# Altium PCB waffling60-SE.PcbDoc (part 2 of 2)
Units mm, origin at the board's own origin, x right, y up, seen from the top; angles counter-clockwise.
Board outline 283.9 x 96.45 mm, 2 copper layers (Component Side, Bottom Layer), stack 1.571 mm thick; 173 components, 117 nets, 830 pads, 130 vias.
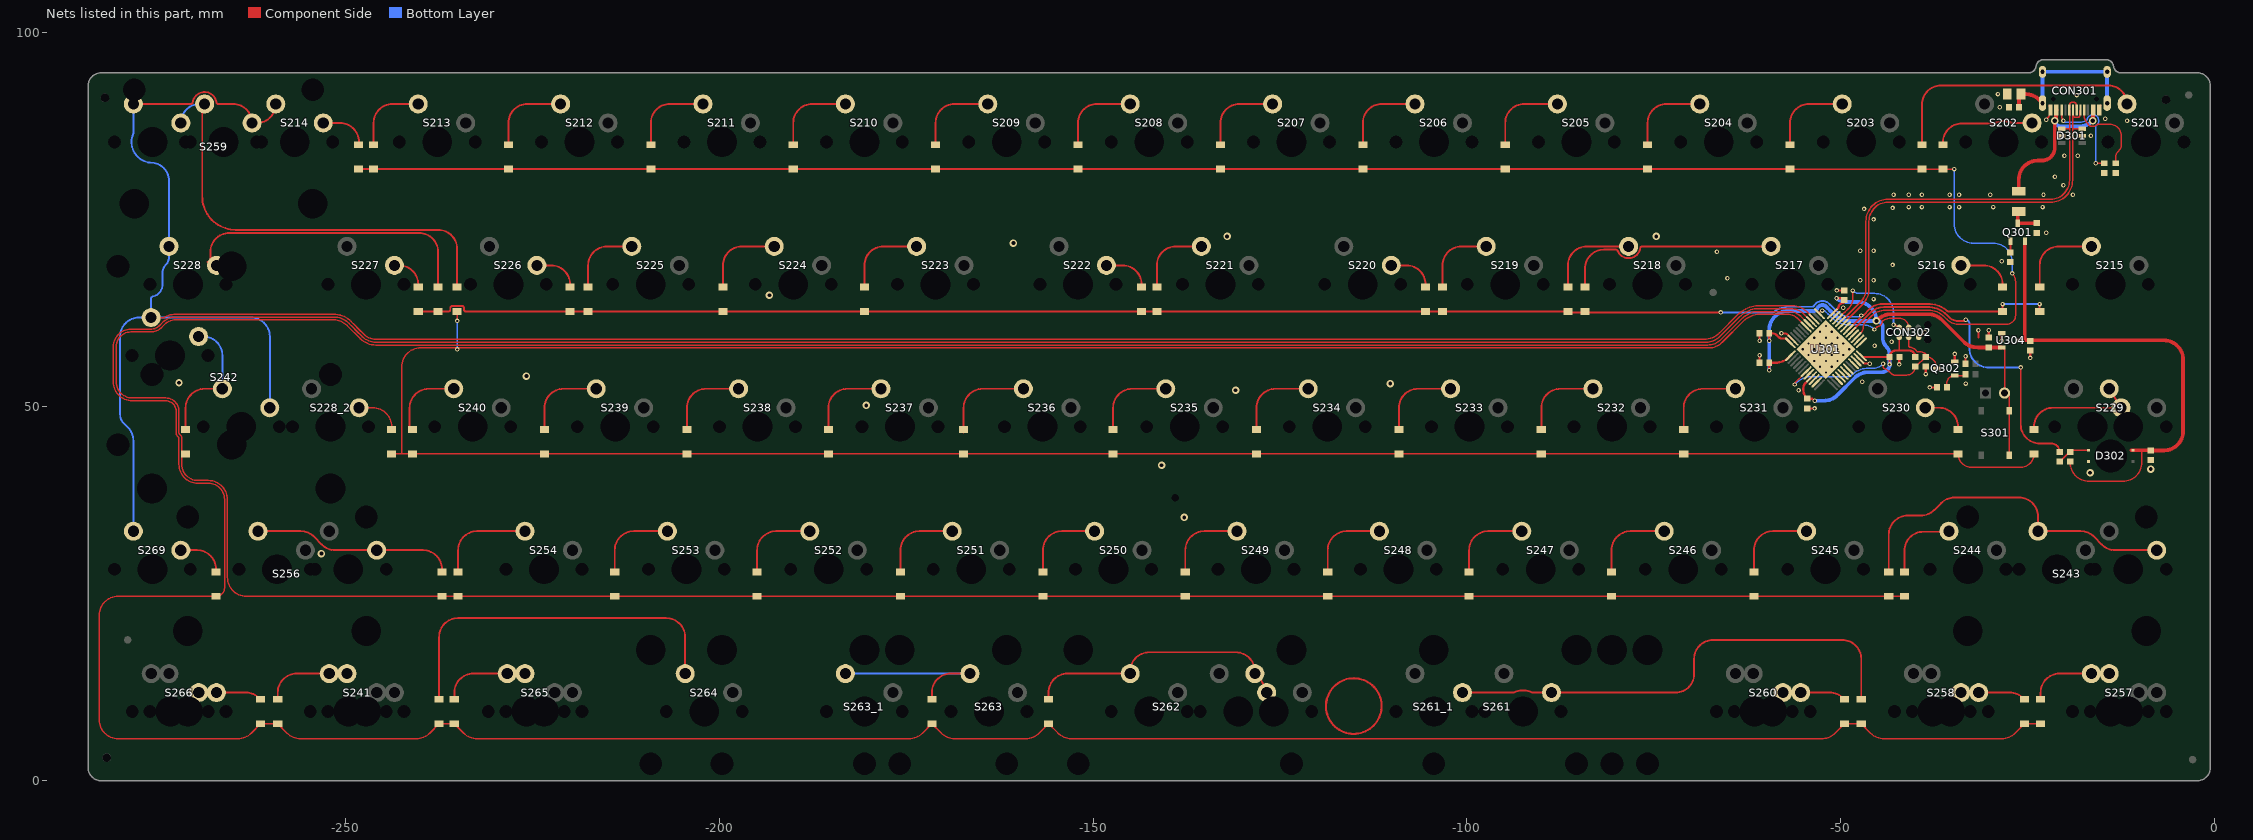
[diagram p2: the nets of this part, all layers, seen from the top]

## Via types
v1: diameter 0.6, hole 0.3, Component Side to Bottom Layer, tented both sides, 88 vias
v2: diameter 0.6, hole 0.3, Component Side to Bottom Layer, tented bottom, 25 vias
v3: diameter 1, hole 0.5, Component Side to Bottom Layer, tented both sides, 15 vias
v4: diameter 1, hole 0.6, Component Side to Bottom Layer, tented both sides, 2 vias

## Nets (pads, with @x,y where several pads share a name; then routed paths per layer and width w, separated by ;. In a path a pad name is that pad's centre, name@x,y a point inside that pad or via, vN(x,y) a via of type N, cw(c..) or ccw(c..) an arc to the next point about the centre after c; other vN are vias at no path point) (continued)
col14: S214.2 S228.2 S242.2 S259.2 S269.2 U301.39 | length 341.3
  Component Side w0.203: S242.2@-276.02,61.925 -274.329,61.925 ccw(c-274.33,62.128) -274.225,61.954 cw(c-272.709,59.455) -272.709,62.378 -251.606,62.378 cw(c-251.606,59.072) -249.265,61.407 -248.744,60.886 cw(c-249.013,60.613) -248.742,60.884 -248.298,60.439 ccw(c-248.153,60.582) -248.296,60.438 -247.507,59.649 ccw(c-245.98,61.172) -245.98,59.015 -68.273,59.015 ccw(c-68.273,61.938) -66.207,59.87 ccw(c-68.273,61.938) -66.205,59.873 -63.82,62.257 cw(c-60.833,59.282) -63.808,62.269 cw(c-60.833,59.282) -62.693,63.065 ccw(c-62.783,63.247) -62.685,63.07 cw(c-61.057,60.191) -61.057,63.498 -56.366,63.498 cw(c-56.366,60.958) -54.57,62.754 U301.39@-53.72,61.904
  Component Side w0.254: S259.2@-278.39,90.495 -272.542,90.495 -270.698,90.495 ccw(c-270.698,90.749) -270.447,90.714 cw(c-268.865,90.495) -270.403,90.924 cw(c-268.865,90.495) -268.362,92.011 cw(c-268.865,90.495) -268.36,92.01 cw(c-268.865,90.495) -267.283,90.714 ccw(c-267.032,90.749) -267.032,90.495 -265.055,90.495 cw(c-265.055,87.955) S259.2@-262.515,87.955 -261.88,87.955 ccw(c-261.88,90.495) S214.2@-259.34,90.495
  Bottom Layer w0.254: -278.615,85.753 cw(c-275.85,85.415) -278.459,86.393 ; S269.2@-278.39,33.345 -278.39,45.436 ccw(c-280.93,45.436) -279.134,47.232 -279.654,47.752 cw(c-278.428,48.978) -280.162,48.978 -280.162,59.385 cw(c-277.622,59.385) -277.622,61.925 S242.2@-276.02,61.925 ; S259.2@-278.39,90.495 -278.39,86.611 cw(c-278.644,86.612) -278.41,86.514 ccw(c-275.85,85.415) -278.459,86.393 ; -276.158,82.646 cw(c-275.85,85.415) -278.459,86.392 ; -276.157,82.646 ccw(c-275.85,85.415) -276.155,82.646 ccw(c-275.85,85.415) -275.871,82.629 cw(c-275.874,82.375) -275.856,82.629 cw(c-276.037,80.226) -273.627,80.226 S228.2@-273.627,71.445 -273.627,70.02 cw(c-275.125,70.02) -274.066,68.961 ccw(c-273.053,67.948) -274.486,67.948 -274.486,66.42 cw(c-276.167,66.365) -275.819,64.719 ccw(c-275.766,64.47) -276.02,64.47 S242.2@-276.02,61.925 ; S242.2@-260.14,49.855 -260.14,59.385 ccw(c-262.68,59.385) -262.68,61.925 S242.2@-276.02,61.925
D_N: CON301.A7 CON301.B7 D301.3 U301.32 | length 58.7
  Component Side w0.2: U301.32@-49.513,61.197 -49.513,61.224 -49.056,61.68 -49.056,61.722 -47.989,62.789 ccw(c-49.842,64.641) -47.987,62.791 -47.066,63.712 ccw(c-49.142,65.788) -46.206,65.788 -46.206,74.803 cw(c-43.666,74.803) -43.666,77.343 -21.917,77.343 ccw(c-21.917,80.286) -18.973,80.286 -18.973,87.249 ; CON301.B7@-17.925,89.695 -17.975,89.572 -17.993,89.572 ccw(c-17.795,89.543) -17.995,89.543 -17.995,88.97 cw(c-18.275,88.97) -18.275,88.69 -18.575,88.69 cw(c-18.575,88.97) -18.855,88.97 -18.855,89.543 ccw(c-19.055,89.543) -18.857,89.572 -18.875,89.572 CON301.A7@-18.925,89.695 ccw(c-18.925,89.647) -18.973,89.647 -18.973,87.249 ; D301.3@-17.675,87.183 -18.907,87.183 cw(c-18.907,87.249) -18.973,87.249
D_P: CON301.A6 CON301.B6 D301.4 U301.33 | length 58
  Component Side w0.2: U301.33@-49.866,61.55 -49.839,61.55 -49.383,62.007 -49.341,62.007 -48.275,63.073 ; -48.274,63.074 -47.353,63.995 ccw(c-49.149,65.791) -46.609,65.791 -46.609,74.803 cw(c-43.666,74.803) -43.666,77.746 -21.917,77.746 ccw(c-21.917,80.286) -19.377,80.286 -19.377,87.249 ; D301.4@-20.425,87.183 -19.525,87.183 ccw(c-19.525,87.383) -19.377,87.249 ; CON301.A6@-18.425,89.695 -18.475,90.17 -18.477,90.17 cw(c-18.295,90.253) -18.495,90.253 -18.495,90.42 ccw(c-18.775,90.42) -18.775,90.7 -19.075,90.7 ccw(c-19.075,90.42) -19.355,90.42 -19.355,90.069 cw(c-19.555,90.07) -19.371,89.992 -19.375,89.992 CON301.B6@-19.425,89.695 cw(c-19.425,89.647) -19.377,89.647 -19.377,87.249
GND: C301.1 C302.1 C303.1 C304.1 C305.1 C306.1 C307.1 C308.1 C310.2 C311.1 C312.1 CON301.A1B12 CON301.B1A12 CON302.5 D301.2 D302.3 L301.1 Q302.2 R301.2 R302.2 R304.2 R305.2 R309.2 U301.8 U301.23 U301.35 U301.47 U304.1 | length 48.8
  Component Side w0.254: v1(-57.912,59.817) -57.479,59.817 cw(c-57.479,59.361) -57.157,59.683 U301.47@-56.549,59.075 ; U301.23@-47.391,56.282 -47.379,56.282 -46.85,55.753 v1(-46.101,55.753) ; CON302.5@-39.544,59.309 v1(-38.735,59.944) ; v1(-22.479,88.392) -22.455,88.416 ccw(c-23.733,89.695) CON301.B1A12@-21.925,89.695 CON301.B1A12@-22.098,90.293 ; CON301.A1B12@-15.425,89.695 CON301.A1B12@-15.252,90.293
  Component Side w0.279: -111.412,10.074 cw(c-115.129,9.951) -111.412,10.088
  Component Side w0.3: C305.1@-60.848,55.88 v1@-60.848,56.881 ; v1@-60.848,58.816 C304.1@-60.848,59.817 ; C302.1@-54.483,49.769 v1@-53.482,49.769 ; v1@-50.531,65.547 C303.1@-49.53,65.547 ; v1@-42.149,55.641 C301.1@-42.149,56.642 ; v1@-38.608,54.356 C310.2@-38.608,55.357 ; v1@-38.1,52.578 R305.2@-37.099,52.578 ; Q302.2@-34.741,56.068 v1@-34.741,57.069 ; R304.2@-33.289,55.753 v1@-33.289,56.754 ; -31.566,59.239 v1@-31.566,60.24 ; C308.1@-30.169,59.239 v1@-30.169,60.24 ; v1@-28.463,58.82 U304.1@-28.463,59.821 ; v1@-24.638,56.515 C307.1@-24.638,57.516
  Bottom Layer w0.254: v2(-52.748,60.012) v2(-51.97,59.234) ; v2(-51.97,60.79) v2(-51.192,60.012) v2(-50.414,59.234) v2(-49.637,58.457) v2(-48.859,57.679)
  other v1: -53.49,49.769 -55.626,52.197 -38.092,52.578 -33.274,53.086 -47.117,53.34 -38.608,54.364 -42.149,55.649 -24.638,56.523 -33.289,56.746 -60.848,56.873 -34.741,57.061 -45.466,58.166 -43.18,58.674 -60.848,58.824 -28.463,58.828 -31.566,60.232 -30.169,60.232 -49.657,63.246 -45.593,64.389 -50.523,65.547 -47.371,66.929 -45.593,66.929 -65.151,67.183 -43.053,68.961 -28.448,69.469 -66.548,70.739 -47.371,70.866 -45.593,70.866 -22.479,73.279 -45.593,75.057 -46.863,76.454 -43.053,76.581 -40.894,76.708 -39.116,76.708 -35.433,76.708 -34.163,76.708 -29.591,76.708 -22.987,76.708 -42.926,78.359 -40.894,78.359 -39.116,78.359 -35.433,78.359 -34.163,78.359 -29.972,78.359 -22.86,78.359 -18.923,78.359 -20.193,79.629 -21.336,80.772 -20.066,83.566 -18.288,83.566 -16.51,86.233 -11.684,88.265 -14.605,88.519 -28.702,90.043 -18.415,91.694 -28.956,91.821
  other v2: -51.97,54.568 -52.748,55.345 -51.192,55.345 -53.526,56.123 -51.97,56.123 -50.414,56.123 -54.303,56.901 -52.748,56.901 -51.192,56.901 -49.637,56.901 -55.081,57.679 -53.526,57.679 -51.97,57.679 -50.414,57.679 -54.303,58.457 -52.748,58.457 -51.192,58.457 -53.526,59.234
  other v3: -253.238,30.353 -137.795,35.179 -16.637,41.148 -8.509,41.656 -140.843,42.164 -180.34,50.165 -130.937,52.197 -110.236,53.086 -272.288,53.213 -225.806,54.102 -193.294,64.897 -160.655,71.882 -132.08,72.771 -74.676,72.771
LED: R307.2 U301.29 | length 44.4
  Component Side w0.254: U301.29@-48.452,60.136 -47.094,61.494 -46.018,62.57 cw(c-44.222,60.774) -44.222,63.314 -38.221,63.314 cw(c-38.221,61.347) -38.043,63.306 ccw(c-38.021,63.559) -38.04,63.306 cw(c-38.28,59.834) -35.821,62.297 cw(c-38.28,59.834) -35.818,62.293 -35.474,61.949 ccw(c-34.255,63.169) -35.472,61.948 ccw(c-34.255,63.169) -34.255,61.445 -33.541,61.445 -33.368,61.618 v1(-33.274,61.618) ; v1@-25.908,55.245 -25.908,47.625 ccw(c-23.368,47.625) -23.368,45.085 -21.829,45.085 cw(c-21.829,43.957) R307.2@-20.701,43.957
  Bottom Layer w0.254: v1(-33.274,61.618) cw(c-33.274,61.11) -32.766,61.11 -32.766,57.785 ccw(c-30.226,57.785) -32.732,57.37 ccw(c-30.226,57.785) -30.641,55.279 ccw(c-30.226,57.785) -30.226,55.245 v1(-25.9,55.245)
NetC306_2: C306.2 F301.1 Q301.3 | length 4.3
  Component Side w0.5: F301.1@-26.162,76.12 ccw(c-25.819,75.777) -26.304,75.777 Q301.3@-26.304,74.553 -23.649,74.553 ccw(c-23.649,74.591) C306.2@-23.622,74.564
NetC309_2: C309.2 Q302.1 R305.1 | length 3.8
  Component Side w0.203: R305.1@-35.799,52.578 -35.799,53.11 cw(c-34.741,53.11) Q302.1@-34.741,54.168 -33.477,54.168 ccw(c-33.477,54.356) C309.2@-33.289,54.356
NetC312_2: C312.2 CON301.S1 L301.2 | length 22.1
  Component Side w0.5: C312.2@-26.147,90.043 -26.147,91.169 cw(c-25.225,91.169) L301.2@-25.877,91.821 -25.258,91.821 cw(c-25.258,89.281) -23.462,91.077 CON301.S1@-22.995,90.61
  Bottom Layer w0.5: CON301.S1@-22.995,90.61 CON301.S1@-22.995,94.79 CON301.S1@-14.355,94.79 CON301.S1@-14.355,90.61
NetCON301_A5: CON301.A5 R301.1 | length 12.1
  Component Side w0.203: CON301.A5@-17.384,89.034 cw(c-17.145,89.18) -17.403,89.071 CON301.A5@-17.425,89.695 -17.425,89.125 ccw(c-15.518,89.125) -16.866,87.777 ccw(c-16.256,88.265) -15.684,87.732 cw(c-15.536,87.593) -15.537,87.796 -14.009,87.796 cw(c-14.009,86.233) -12.446,86.233 -12.446,85.121 cw(c-13.747,85.121) -12.827,84.201 ccw(c-11.907,83.281) -13.208,83.281 R301.1@-13.208,82.565
NetCON301_B5: CON301.B5 R302.1 | length 15.5
  Component Side w0.203: CON301.B5@-20.425,89.695 -20.425,88.825 ccw(c-19.633,88.825) v1(-20.193,88.265) ; v1(-15.875,82.55) -14.768,82.55 ccw(c-14.768,82.601) R302.1@-14.732,82.565
  Bottom Layer w0.203: v1(-20.193,88.265) -20.029,88.101 cw(c-20.246,87.884) -20.024,88.096 ccw(c-19.879,88.238) -19.88,88.035 -18.07,88.035 ccw(c-18.07,90.043) -17.127,88.27 ccw(c-17.224,88.449) -17.024,88.41 cw(c-16.256,88.265) -15.532,87.97 ; -16.066,89.023 cw(c-16.256,88.265) -15.532,87.97 ; v1(-15.875,82.55) -15.875,87.45 ccw(c-16.309,87.45) -15.875,87.466 cw(c-15.672,87.472) -15.875,87.484 cw(c-15.672,87.472) -15.874,87.496 cw(c-15.672,87.472) -15.793,87.635 ccw(c-16.256,88.265) -15.591,87.854 ccw(c-16.256,88.265) -15.532,87.97
NetD201_1: D201.1 S201.1 | length 35.7
  Component Side w0.254: D201.1@-39.116,85.05 -39.116,90.424 cw(c-36.576,90.424) -36.576,92.964 -14.159,92.964 cw(c-14.159,90.495) S201.1@-11.69,90.495
NetD202_1: D202.1 S202.1 | length 15.6
  Component Side w0.254: D202.1@-36.322,85.05 -36.322,85.344 cw(c-33.782,85.344) -33.782,87.884 -29.55,87.884 ccw(c-29.551,88.138) -29.439,87.91 cw(c-28.2,85.415) -27.251,88.034 ; -29.1,88.051 cw(c-28.2,85.415) -27.102,87.975 ccw(c-27.003,88.209) -27.004,87.955 S202.1@-24.39,87.955
NetD203_1: D203.1 S203.1 | length 11.3
  Component Side w0.254: D203.1@-56.769,85.05 -56.769,87.955 cw(c-54.229,87.955) -54.229,90.495 S203.1@-49.79,90.495
NetD204_1: D204.1 S204.1 | length 11.3
  Component Side w0.254: D204.1@-75.819,85.05 -75.819,87.955 cw(c-73.279,87.955) -73.279,90.495 S204.1@-68.84,90.495
NetD205_1: D205.1 S205.1 | length 11.3
  Component Side w0.254: D205.1@-94.869,85.05 -94.869,87.955 cw(c-92.329,87.955) -92.329,90.495 S205.1@-87.89,90.495
NetD206_1: D206.1 S206.1 | length 11.3
  Component Side w0.254: D206.1@-113.919,85.05 -113.919,87.955 cw(c-111.379,87.955) -111.379,90.495 S206.1@-106.94,90.495
NetD207_1: D207.1 S207.1 | length 11.3
  Component Side w0.254: D207.1@-132.969,85.05 -132.969,87.955 cw(c-130.429,87.955) -130.429,90.495 S207.1@-125.99,90.495
NetD208_1: D208.1 S208.1 | length 11.3
  Component Side w0.254: D208.1@-152.019,85.05 -152.019,87.955 cw(c-149.479,87.955) -149.479,90.495 S208.1@-145.04,90.495
NetD209_1: D209.1 S209.1 | length 11.3
  Component Side w0.254: D209.1@-171.069,85.05 -171.069,87.955 cw(c-168.529,87.955) -168.529,90.495 S209.1@-164.09,90.495
NetD210_1: D210.1 S210.1 | length 11.3
  Component Side w0.254: D210.1@-190.119,85.05 -190.119,87.955 cw(c-187.579,87.955) -187.579,90.495 S210.1@-183.14,90.495
NetD211_1: D211.1 S211.1 | length 11.3
  Component Side w0.254: D211.1@-209.169,85.05 -209.169,87.955 cw(c-206.629,87.955) -206.629,90.495 S211.1@-202.19,90.495
NetD212_1: D212.1 S212.1 | length 11.3
  Component Side w0.254: D212.1@-228.219,85.05 -228.219,87.955 cw(c-225.679,87.955) -225.679,90.495 S212.1@-221.24,90.495
NetD213_1: D213.1 S213.1 | length 10.3
  Component Side w0.254: D213.1@-246.253,85.05 -246.253,87.955 cw(c-243.713,87.955) -243.713,90.495 S213.1@-240.29,90.495
NetD214_1: D214.1 S214.1 | length 6.6
  Component Side w0.254: S214.1@-252.99,87.955 -250.759,87.955 cw(c-250.759,85.415) -248.219,85.415 D214.1@-248.219,85.05
NetD215_1: D215.1 S215.1 | length 11.3
  Component Side w0.254: D215.1@-23.368,66 -23.368,68.905 cw(c-20.828,68.905) -20.828,71.445 S215.1@-16.452,71.445
NetD216_1: D216.1 S216.1 | length 7.4
  Component Side w0.254: S216.1@-33.915,68.905 -30.861,68.905 cw(c-30.861,66.365) -28.321,66.365 D216.1@-28.321,66
NetD217_1: D217.1 S217.1 | length 31
  Component Side w0.254: D217.1@-84.201,66 -84.201,68.471 cw(c-81.661,68.471) -81.661,71.011 -80.061,71.011 cw(c-80.062,70.757) -79.827,70.853 ; -79.279,70.16 cw(c-78.365,71.445) -79.827,70.853 ; S217.1@-59.315,71.445 -76.553,71.445 ccw(c-76.552,71.191) -76.803,71.227 cw(c-78.365,71.445) -79.827,70.853
NetD218_1: D218.1 S218.1 | length 12.5
  Component Side w0.254: D218.1@-86.487,66 -86.487,68.905 cw(c-83.947,68.905) -83.947,71.445 S218.1@-78.365,71.445
NetD219_1: D219.1 S219.1 | length 10.2
  Component Side w0.254: D219.1@-103.251,66 -103.251,68.905 cw(c-100.711,68.905) -100.711,71.445 S219.1@-97.415,71.445
NetD220_1: D220.1 S220.1 | length 6.4
  Component Side w0.254: S220.1@-110.115,68.905 -108.077,68.905 cw(c-108.077,66.365) -105.537,66.365 D220.1@-105.537,66
NetD221_1: D221.1 S221.1 | length 10.3
  Component Side w0.254: D221.1@-141.478,66 -141.478,68.905 cw(c-138.938,68.905) -138.938,71.445 S221.1@-135.515,71.445
NetD222_1: D222.1 S222.1 | length 6.5
  Component Side w0.254: S222.1@-148.215,68.905 -146.05,68.905 cw(c-146.05,66.365) -143.51,66.365 D222.1@-143.51,66
NetD223_1: D223.1 S223.1 | length 11.3
  Component Side w0.254: D223.1@-180.594,66 -180.594,68.905 cw(c-178.054,68.905) -178.054,71.445 S223.1@-173.615,71.445
NetD224_1: D224.1 S224.1 | length 11.2
  Component Side w0.254: D224.1@-199.517,66 -199.517,68.905 cw(c-196.977,68.905) -196.977,71.445 S224.1@-192.665,71.445
NetD225_1: D225.1 S225.1 | length 10.2
  Component Side w0.254: D225.1@-217.551,66 -217.551,68.905 cw(c-215.011,68.905) -215.011,71.445 S225.1@-211.715,71.445
NetD226_1: D226.1 S226.1 | length 6.3
  Component Side w0.254: S226.1@-224.415,68.905 -222.504,68.905 cw(c-222.504,66.365) -219.964,66.365 D226.1@-219.964,66
NetD227_1: D227.1 S227.1 | length 5
  Component Side w0.254: S227.1@-243.465,68.905 -242.824,68.905 cw(c-242.824,66.365) -240.284,66.365 D227.1@-240.284,66
NetD228_1: D228.1 S228.1 | length 39.6
  Component Side w0.254: -268.478,69.342 ccw(c-268.478,69.723) -268.097,69.723 -268.097,70.686 cw(c-265.557,70.686) -265.557,73.226 -240.157,73.226 cw(c-240.157,70.686) -237.617,70.686 D228.1@-237.617,66
NetD228_2_1: D228_2.1 S228_2.1 | length 6.2
  Component Side w0.203: S228_2.1@-248.202,49.855 -246.38,49.855 cw(c-246.38,47.315) -243.84,47.315 D228_2.1@-243.84,46.95
NetD229_1: D229.1 S229.2 | length 16.5
  Component Side w0.254: D229.1@-24.13,46.95 -24.13,47.315 cw(c-21.59,47.315) -21.59,49.855 S229.2@-12.484,49.855 S229.2@-14.071,52.395
NetD230_1: D230.1 S230.1 | length 6.2
  Component Side w0.254: S230.1@-38.677,49.855 -36.83,49.855 cw(c-36.83,47.315) -34.29,47.315 D230.1@-34.29,46.95
NetD231_1: D231.1 S231.1 | length 11.3
  Component Side w0.254: D231.1@-70.993,46.95 -70.993,49.855 cw(c-68.453,49.855) -68.453,52.395 S231.1@-64.077,52.395
NetD232_1: D232.1 S232.1 | length 11.3
  Component Side w0.254: D232.1@-90.043,46.95 -90.043,49.855 cw(c-87.503,49.855) -87.503,52.395 S232.1@-83.127,52.395
NetD233_1: D233.1 S233.1 | length 11.3
  Component Side w0.254: D233.1@-109.093,46.95 -109.093,49.855 cw(c-106.553,49.855) -106.553,52.395 S233.1@-102.177,52.395
NetD234_1: D234.1 S234.1 | length 11.3
  Component Side w0.254: D234.1@-128.143,46.95 -128.143,49.855 cw(c-125.603,49.855) -125.603,52.395 S234.1@-121.227,52.395
NetD235_1: D235.1 S235.1 | length 11.4
  Component Side w0.254: D235.1@-147.32,46.95 -147.32,49.855 cw(c-144.78,49.855) -144.78,52.395 S235.1@-140.277,52.395
NetD236_1: D236.1 S236.1 | length 12.8
  Component Side w0.254: D236.1@-167.32,46.515 D236.1@-167.32,46.95 -167.32,49.855 cw(c-164.78,49.855) -164.78,52.395 S236.1@-159.327,52.395
NetD237_1: D237.1 S237.1 | length 11.4
  Component Side w0.254: D237.1@-185.42,46.95 -185.42,49.855 cw(c-182.88,49.855) -182.88,52.395 S237.1@-178.377,52.395
NetD238_1: D238.1 S238.1 | length 10.8
  Component Side w0.254: D238.1@-204.343,46.95 -204.343,49.855 cw(c-201.803,49.855) -201.803,52.395 S238.1@-197.881,52.395
NetD239_1: D239.1 S239.1 | length 11.3
  Component Side w0.254: D239.1@-223.393,46.95 -223.393,49.855 cw(c-220.853,49.855) -220.853,52.395 S239.1@-216.477,52.395
NetD240_1: D240.1 S240.1 | length 10.3
  Component Side w0.254: D240.1@-241.427,46.95 -241.427,49.855 cw(c-238.887,49.855) -238.887,52.395 S240.1@-235.527,52.395
NetD241_1: D241.1 S241.2 | length 9.2
  Component Side w0.254: D241.1@-259.08,10.85 -259.08,11.755 cw(c-256.54,11.755) -256.54,14.295 S241.2@-252.196,14.295
NetD242_1: D242.1 S242.1 | length 18.3
  Component Side w0.254: D242.1@-271.399,46.95 -271.399,49.855 cw(c-268.859,49.855) -268.859,52.395 S242.1@-266.49,52.395
  Bottom Layer w0.254: S242.1@-269.67,59.385 -269.03,59.385 cw(c-269.03,56.845) -266.49,56.845 S242.1@-266.49,52.395
NetD243_1: D243.1 S243.1 | length 47.3
  Component Side w0.254: D243.1@-43.561,27.9 -43.561,32.893 cw(c-41.021,32.893) -41.021,35.433 -39.279,35.433 ccw(c-39.279,37.973) -37.483,36.177 -36.558,37.102 cw(c-34.762,35.306) -34.762,37.846 -26.136,37.846 cw(c-26.136,35.306) -23.596,35.306 S243.1@-23.596,33.345 -17.887,33.345 cw(c-17.887,30.805) -16.091,32.601 -15.039,31.549 ccw(c-13.243,33.345) -13.243,30.805 S243.1@-7.721,30.805
NetD244_1: D244.1 S244.2 | length 10.3
  Component Side w0.254: D244.1@-41.468,27.9 -41.468,30.734 cw(c-38.928,30.734) -38.928,33.274 S244.2@-35.433,33.274
NetD245_1: D245.1 S245.1 | length 11.4
  Component Side w0.254: D245.1@-61.595,27.9 -61.595,30.805 cw(c-59.055,30.805) -59.055,33.345 S245.1@-54.552,33.345
NetD246_1: D246.1 S246.1 | length 11.4
  Component Side w0.254: D246.1@-80.645,27.9 -80.645,30.805 cw(c-78.105,30.805) -78.105,33.345 S246.1@-73.602,33.345
NetD247_1: D247.1 S247.1 | length 11.4
  Component Side w0.254: D247.1@-99.695,27.9 -99.695,30.805 cw(c-97.155,30.805) -97.155,33.345 S247.1@-92.652,33.345
NetD248_1: D248.1 S248.1 | length 11.3
  Component Side w0.254: D248.1@-118.618,27.9 -118.618,30.805 cw(c-116.078,30.805) -116.078,33.345 S248.1@-111.702,33.345
NetD249_1: D249.1 S249.1 | length 12.5
  Component Side w0.254: D249.1@-137.668,27.9 -137.668,30.805 cw(c-135.128,30.805) -135.128,33.345 S249.1@-130.752,33.345
  Bottom Layer w0.254: S249.1@-130.752,33.345 S249.1@-130.752,34.544
NetD250_1: D250.1 S250.1 | length 11.3
  Component Side w0.254: D250.1@-156.718,27.9 -156.718,30.805 cw(c-154.178,30.805) -154.178,33.345 S250.1@-149.802,33.345
NetD251_1: D251.1 S251.1 | length 11.3
  Component Side w0.254: D251.1@-175.768,27.9 -175.768,30.805 cw(c-173.228,30.805) -173.228,33.345 S251.1@-168.852,33.345
NetD252_1: D252.1 S252.1 | length 11.4
  Component Side w0.254: D252.1@-194.945,27.9 -194.945,30.805 cw(c-192.405,30.805) -192.405,33.345 S252.1@-187.902,33.345
NetD253_1: D253.1 S253.1 | length 11.4
  Component Side w0.254: D253.1@-213.995,27.9 -213.995,30.805 cw(c-211.455,30.805) -211.455,33.345 S253.1@-206.952,33.345
NetD254_1: D254.1 S254.1 | length 13.3
  Component Side w0.254: D254.1@-234.95,27.9 -234.95,30.805 cw(c-232.41,30.805) -232.41,33.345 S254.1@-226.002,33.345
NetD255_1: D255.1 S256.1 | length 27.2
  Component Side w0.254: S256.1@-261.62,33.345 -256.012,33.345 cw(c-256.012,30.805) -254.216,32.601 -253.164,31.549 ccw(c-251.368,33.345) -251.368,30.805 -245.745,30.805 -239.649,30.805 cw(c-239.649,28.265) -237.109,28.265 D255.1@-237.109,27.9
NetD256_1: D256.1 S269.1 | length 6.5
  Component Side w0.254: S269.1@-272.04,30.805 -269.875,30.805 cw(c-269.875,28.265) -267.335,28.265 D256.1@-267.335,27.9
NetD257_1: D257.1 S257.2 | length 9.1
  Component Side w0.254: D257.1@-23.241,10.85 -23.241,11.755 cw(c-20.701,11.755) -20.701,14.295 S257.2@-16.452,14.295
NetD258_1: D258.1 S258.1 | length 6.4
  Component Side w0.254: S258.1@-31.533,11.755 -27.357,11.755 cw(c-27.357,9.215) -25.561,11.011 D258.1@-25.4,10.85
NetD259_1: D259.1 S259.1 | length 60.2
  Component Side w0.254: S259.1@-269.182,90.495 -269.182,78.135 ccw(c-264.708,78.135) -264.708,73.66 -237.617,73.66 cw(c-237.617,71.12) -235.077,71.12 D259.1@-235.077,66
  Bottom Layer w0.254: S259.1@-272.04,87.955 cw(c-269.5,87.955) -269.5,90.495 S259.1@-268.865,90.495
NetD260_1: D260.1 S260.1 | length 6.1
  Component Side w0.254: S260.1@-55.346,11.755 -51.439,11.755 cw(c-51.439,9.215) -49.643,11.011 D260.1@-49.482,10.85
NetD261_1: D261.1 S261.1 S261_1.1 | length 65.2
  Component Side w0.254: S261_1.1@-100.589,11.755 -93.788,11.755 ccw(c-93.789,12.009) -93.683,11.778 cw(c-92.493,9.215) -91.303,11.778 ccw(c-91.198,12.009) -91.199,11.755 S261.1@-88.683,11.755 -72.065,11.755 ccw(c-72.065,14.224) -69.596,14.224 -69.596,16.256 cw(c-67.056,16.256) -67.056,18.796 -49.784,18.796 cw(c-49.784,16.256) -47.244,16.256 D261.1@-47.244,10.85
NetD262_1: D262.1 S262.2 | length 36.8
  Component Side w0.254: D262.1@-155.956,10.85 -155.956,11.755 cw(c-153.416,11.755) -153.416,14.295 S262.2@-145.039,14.295 -145.039,14.605 cw(c-142.499,14.605) -142.499,17.145 -130.903,17.145 cw(c-130.903,14.605) -128.363,14.605 S262.2@-128.363,14.295 -127.837,13.769 cw(c-129.633,11.973) -127.093,11.973 S262.2@-127.093,11.755
  Bottom Layer w0.254: S262.2@-145.039,14.295 S262.2@-145.039,14.478 ; S262.2@-128.363,14.295 S262.2@-128.363,14.478
NetD263_1: D263.1 S263.2 S263_1.2 | length 24.1
  Component Side w0.254: D263.1@-171.577,10.85 -171.577,11.755 cw(c-169.037,11.755) -169.037,14.295 S263.2@-166.471,14.295
  Bottom Layer w0.254: S263_1.2@-183.139,14.295 S263.2@-166.471,14.295
NetD264_1: D264.1 S264.1 | length 49
  Component Side w0.254: D264.1@-237.49,10.85 -237.49,19.177 cw(c-234.95,19.177) -234.95,21.717 -207.111,21.717 cw(c-207.111,19.177) -204.571,19.177 S264.1@-204.571,14.295
NetD265_1: D265.1 S265.2 | length 9.4
  Component Side w0.254: D265.1@-235.458,10.85 -235.458,11.755 cw(c-232.918,11.755) -232.918,14.295 S265.2@-228.383,14.295
NetD266_1: D266.1 S266.1 | length 6.2
  Component Side w0.254: S266.1@-267.277,11.755 -263.323,11.755 cw(c-263.323,9.215) -261.527,11.011 D266.1@-261.366,10.85
NetD302_4: D302.4 R306.2 R307.1 | length 4.5
  Component Side w0.254: R307.1@-20.701,42.657 -20.403,42.93 -19.602,43.684 R306.2@-19.304,43.957 cw(c-19.089,43.957) -19.089,44.172 D302.4@-16.857,44.172
NetQ301_1: Q301.1 R309.1 | length 1.5
  Component Side w0.254: R309.1@-27.305,70.627 ccw(c-27.428,70.75) -27.254,70.75 Q301.1@-27.254,72.153
NRST: C310.1 CON302.3 Q302.3 R303.2 U301.7 | length 29.1
  Component Side w0.203: v1@-56.134,52.959 v1(-56.134,52.967) -56.134,53.161 U301.7@-54.781,54.515 ; v1(-44.315,55.753) -44.315,55.692 -44.315,55.317 ccw(c-44.112,55.314) -44.196,55.129 cw(c-45.466,52.306) -43.277,54.494 -43.159,54.377 ccw(c-42.802,54.734) -42.854,54.232 ccw(c-42.802,54.734) -42.802,54.229 -41.158,54.229 ccw(c-41.158,55.357) -40.03,55.357 R303.2@-40.005,55.357 -39.682,55.655 -38.931,56.359 C310.1@-38.608,56.657 ; CON302.3@-40.894,59.309 -40.894,58.153 ccw(c-40.691,58.154) -40.717,57.953 cw(c-40.879,56.657) -40.302,57.828 cw(c-40.879,56.657) -39.796,57.386 ccw(c-39.628,57.5) -39.751,57.339 -39.37,57.339 cw(c-39.37,56.261) -38.608,57.023 C310.1@-38.608,56.657 ; Q302.3@-37.141,55.118 -37.141,55.19 ccw(c-38.608,55.19) C310.1@-38.608,56.657
  Bottom Layer w0.203: v1(-56.134,52.967) -55.859,53.242 cw(c-54.063,51.446) -54.063,53.986 -49.259,53.986 ccw(c-49.259,56.117) -48.714,54.057 ccw(c-48.767,54.253) -48.624,54.108 -48.49,54.242 ; -48.49,54.243 cw(c-46.319,52.07) -47.85,54.733 cw(c-46.319,52.07) -47.557,54.881 cw(c-46.319,52.07) -46.319,55.142 -45.593,55.142 ccw(c-45.593,56.751) -44.455,55.613 v1(-44.315,55.753)
PA0: U301.10
PA1: U301.11
PA5: U301.15
PA6: U301.16
PA7: U301.17
PA9: D215.2 D216.2 D217.2 D218.2 D219.2 D220.2 D221.2 D222.2 D223.2 D224.2 D225.2 D226.2 D227.2 D228.2 U301.30 | length 224.4
  Component Side w0.254: D227.2@-240.284,62.73 D228.2@-237.617,62.73 -236.248,62.73 ccw(c-236.248,62.984) -235.994,62.984 -235.994,63.185 cw(c-235.687,63.185) -235.687,63.492 -234.467,63.492 cw(c-234.467,63.185) -234.16,63.185 -234.16,62.984 ccw(c-233.906,62.984) -234.078,62.797 ccw(c-233.906,62.984) -233.906,62.73 D226.2@-219.964,62.73 D225.2@-217.551,62.73 D224.2@-199.517,62.73 D223.2@-180.594,62.73 D222.2@-143.51,62.73 D221.2@-141.478,62.73 D220.2@-105.537,62.73 D219.2@-103.251,62.73 D218.2@-86.487,62.73 -86.004,62.611 v1(-66.04,62.611) ; U301.30@-48.806,60.49 -47.315,61.98 -47.315,62.132 -47.182,62.264 -46.938,62.264 -46.198,63.004 cw(c-44.402,61.208) -44.402,63.748 -38.221,63.748 cw(c-38.221,61.347) -38.008,63.739 ccw(c-37.987,63.992) -38.006,63.738 cw(c-38.28,59.834) -35.716,62.791 ccw(c-35.55,62.984) -35.671,62.76 ccw(c-35.55,62.984) -35.552,62.73 -28.336,62.73 D216.2@-28.321,62.73
  Component Side w0.3: D216.2@-28.336,62.73 v1(-28.336,63.723) v1@-28.336,63.731 ; D215.2@-23.383,62.73 v1(-23.383,63.723) v1@-23.383,63.731
  Bottom Layer w0.254: v1(-66.04,62.611) -59.124,62.611 ccw(c-59.126,62.865) -58.966,62.667 cw(c-57.008,60.268) -57.008,63.365 -53.794,63.365 ccw(c-53.795,63.619) -53.574,63.494 cw(c-52.451,62.865) -51.542,63.776 cw(c-52.451,62.865) -51.54,63.774 cw(c-52.451,62.865) -51.452,63.676 ccw(c-51.255,63.837) -51.415,63.64 cw(c-52.094,62.789) -51.326,63.56 cw(c-52.094,62.789) -51.324,63.558 cw(c-52.094,62.789) -51.323,63.557 -50.97,63.204 ; -50.969,63.203 -50.535,62.769 ; -50.534,62.768 ccw(c-48.739,64.565) -48.739,62.025 -47.515,62.025 -47.342,62.198 v1(-47.249,62.198)
  Bottom Layer w0.3: v1(-28.336,63.723) v1(-23.383,63.723)
PA10: U301.31
PB0: U301.18
PB1: U301.19
PB4: D241.2 D256.2 D257.2 D258.2 D260.2 D261.2 D262.2 D263.2 D264.2 D265.2 D266.2 U301.40 | length 577.2
  Component Side w0.203: -249.014,60.614 -249.538,61.138 ccw(c-251.606,59.072) -251.606,61.995 -272.709,61.995 ccw(c-272.709,59.455) -274.505,61.251 -274.848,60.908 ccw(c-274.703,60.765) -274.855,60.9 cw(c-276.02,61.925) -276.11,60.376 -278.728,60.376 ccw(c-278.728,58.034) -281.07,58.034 -281.07,53.321 ccw(c-278.53,53.321) -278.53,50.781 -274.066,50.781 cw(c-274.066,49.389) -273.088,50.379 -273.075,50.367 cw(c-274.066,49.389) -272.674,49.389 -272.674,46.495 ccw(c-272.009,46.495) -272.38,45.943 cw(c-272.494,45.775) -272.291,45.776 -272.291,42.289 ccw(c-269.751,42.289) -269.751,39.749 -268.351,39.749 cw(c-268.351,37.592) -266.194,37.592 -266.194,25.771 cw(c-267.335,25.771) -266.878,24.725 cw(c-267.335,25.771) D256.2@-267.335,24.63 -280.416,24.63 ccw(c-280.416,22.09) -282.956,22.09 -282.956,8.12 ccw(c-280.416,8.12) -280.416,5.58 -264.418,5.58 ccw(c-264.418,8.12) -262.622,6.324 D266.2@-261.366,7.58 D241.2@-259.08,7.58 -257.824,6.324 ccw(c-256.028,8.12) -256.028,5.58 -240.542,5.58 ccw(c-240.542,8.12) -238.746,6.324 D264.2@-237.49,7.58 D265.2@-235.458,7.58 -234.202,6.324 ccw(c-232.406,8.12) -232.406,5.58 -231.394,5.58 -215.265,5.58 -174.629,5.58 ccw(c-174.629,8.12) -172.833,6.324 D263.2@-171.577,7.58 -170.329,6.332 ccw(c-168.533,8.128) -168.533,5.588 -159,5.588 ccw(c-159,8.128) -157.204,6.332 D262.2@-155.956,7.58 -154.708,6.332 ccw(c-152.912,8.128) -152.912,5.588 -104.648,5.588 -104.648,5.58 -69.342,5.58 -59.309,5.58 -52.534,5.58 ; -249.013,60.613 -248.569,60.168 -247.776,59.376 ccw(c-245.98,61.172) -247.762,59.362 ccw(c-245.98,61.172) -245.98,58.632 -67.955,58.632 ccw(c-67.955,61.172) -66.159,59.376 -63.548,61.987 cw(c-60.833,59.282) -63.538,61.997 cw(c-60.833,59.282) -62.514,62.726 ccw(c-62.604,62.908) -62.505,62.731 cw(c-61.057,60.191) -61.057,63.115 -56.69,63.115 cw(c-56.69,60.575) -54.894,62.371 U301.40@-54.074,61.55 ; -52.534,5.58 ccw(c-52.534,8.12) -51.882,5.665 ccw(c-52.534,8.12) -51.482,5.808 ccw(c-52.534,8.12) -50.738,6.324 D260.2@-49.482,7.58 D261.2@-47.244,7.58 -45.988,6.324 ccw(c-44.192,8.12) -44.192,5.58 -28.452,5.58 ccw(c-28.452,8.12) -26.656,6.324 D258.2@-25.4,7.58 D257.2@-23.241,7.58
PB5: D242.2 D243.2 D244.2 D245.2 D246.2 D247.2 D248.2 D249.2 D250.2 D251.2 D252.2 D253.2 D254.2 D255.2 U301.41 | length 498.7
  Component Side w0.203: U301.41@-54.427,61.197 -55.218,61.987 ccw(c-57.014,60.191) -57.014,62.731 -61.057,62.731 ccw(c-61.057,60.191) -62.325,62.393 cw(c-62.425,62.569) -62.336,62.387 ccw(c-60.833,59.282) -63.268,61.725 ccw(c-60.833,59.282) -63.277,61.717 -66,58.993 cw(c-67.797,60.789) -67.797,58.249 -245.98,58.249 cw(c-245.98,61.172) -248.045,59.103 cw(c-245.98,61.172) -248.048,59.106 -248.522,59.58 -249.284,60.342 -249.81,60.868 ccw(c-251.606,59.072) -251.606,61.612 -272.709,61.612 ccw(c-272.709,59.455) -274.235,60.979 -274.568,60.645 ccw(c-274.424,60.502) -274.575,60.638 cw(c-276.02,61.925) -276.116,59.993 ccw(c-276.125,59.79) -276.124,59.993 -278.728,59.993 ccw(c-278.728,58.034) -280.687,58.034 -280.687,53.321 ccw(c-278.53,53.321) -278.53,51.164 -274.066,51.164 cw(c-274.066,49.389) -272.291,49.389 -272.291,46.495 ccw(c-272.009,46.495) -272.167,46.262 cw(c-272.494,45.775) -272.165,46.261 cw(c-272.494,45.775) -271.907,45.776 -271.907,42.289 ccw(c-269.751,42.289) -269.751,40.132 -268.351,40.132 cw(c-268.351,37.592) -265.811,37.592 -265.811,27.17 ccw(c-263.271,27.17) -263.271,24.63 D255.2@-237.109,24.63 D254.2@-234.95,24.63 D253.2@-213.995,24.63 D252.2@-194.945,24.63 D251.2@-175.768,24.63 D250.2@-156.718,24.63 D249.2@-137.668,24.63 D248.2@-118.618,24.63 D247.2@-99.695,24.63 D246.2@-80.645,24.63 D245.2@-61.595,24.63 D243.2@-43.561,24.63 D244.2@-41.468,24.63
PB6: D228_2.2 D229.2 D230.2 D231.2 D232.2 D233.2 D234.2 D235.2 D236.2 D237.2 D238.2 D239.2 D240.2 D259.2 U301.42 | length 429.5
  Component Side w0.203: D228_2.2@-243.586,43.68 -242.506,43.68 ; v1(-235.077,61.468) D259.2@-235.077,62.73 ; U301.42@-54.781,60.843 -55.706,61.769 ccw(c-57.105,60.37) -57.105,62.348 -60.833,62.348 ccw(c-60.833,59.282) -62.998,61.454 ccw(c-60.833,59.282) -63.005,61.447 -65.842,58.61 cw(c-67.638,60.406) -67.638,57.866 -70.104,57.866 -188.341,57.866 -189.096,57.866 -196.849,57.866 ccw(c-196.852,57.662) -196.852,57.866 -231.267,57.866 -239.966,57.866 ccw(c-239.966,55.326) -242.506,55.326 -242.506,43.68 ; D229.2@-24.13,43.68 cw(c-25.9,43.68) -25.9,41.91 -32.52,41.91 cw(c-32.52,43.68) D230.2@-34.29,43.68 D231.2@-70.993,43.68 D232.2@-90.043,43.68 D233.2@-109.093,43.68 D234.2@-128.143,43.68 D235.2@-147.32,43.68 D236.2@-167.32,43.68 D237.2@-185.42,43.68 D238.2@-204.343,43.68 D239.2@-223.393,43.68 -242.506,43.68
  Bottom Layer w0.203: v1(-235.077,57.658) v1(-235.077,61.468)
PB10: U301.21
PB11: U301.22
PB12: U301.25
PB13: U301.26
PB14: D201.2 D202.2 D203.2 D204.2 D205.2 D206.2 D207.2 D208.2 D209.2 D210.2 D211.2 D212.2 D213.2 D214.2 U301.27 | length 262.8
  Component Side w0.203: D203.2@-56.769,81.78 D201.2@-39.116,81.78 D202.2@-36.322,81.78 v1@-34.798,81.78 ; U301.27@-47.745,59.429 -47.269,59.905 ccw(c-47.944,60.579) -46.99,60.579 cw(c-45.924,60.579) -46.678,61.333 -45.849,62.161 cw(c-44.053,60.365) -44.053,62.905 -38.28,62.905 cw(c-38.28,59.834) -36.108,62.006 -35.765,61.663 ccw(c-34.255,63.169) -35.76,61.658 ccw(c-34.255,63.169) -34.255,61.036 -27.789,61.036 ccw(c-27.789,62.23) -26.595,62.23 -26.595,66.716 ccw(c-28.153,66.716) v1(-27.051,67.818)
  Component Side w0.254: D214.2@-248.285,81.78 D213.2@-246.253,81.78 D212.2@-228.219,81.78 D211.2@-209.169,81.78 D210.2@-190.119,81.78 D209.2@-171.069,81.78 D208.2@-152.019,81.78 D207.2@-132.969,81.78 D206.2@-113.919,81.78 D205.2@-94.869,81.78 D204.2@-75.819,81.78 D203.2@-56.769,81.78
  Bottom Layer w0.203: v1(-34.798,81.788) -34.798,74.422 ccw(c-32.258,74.422) -32.258,71.882 -29.591,71.882 cw(c-29.591,69.342) -27.051,69.342 v1(-27.051,67.818)
PB15: U301.28
RAW: CON301.A4B9 CON301.B4A9 D301.5 F301.2 | length 22.2
  Component Side w0.5: F301.2@-26.162,78.82 -26.162,80.391 cw(c-23.622,80.391) -23.622,82.931 -23.05,82.931 ccw(c-23.05,84.627) -21.355,84.627 -21.355,86.042 ; CON301.B4A9@-21.125,89.695 -21.175,89.645 -21.175,88.561 -21.336,88.4 v4(-21.336,88.265) -21.355,88.246 -21.355,86.042 ; D301.5@-20.425,86.233 -21.164,86.233 ccw(c-21.164,86.042) -21.355,86.042 ; v4(-16.256,88.265) ccw(c-16.331,88.34) -16.225,88.34 CON301.A4B9@-16.225,89.695
  Bottom Layer w0.5: v4(-21.336,88.265) ccw(c-20.574,88.265) -20.574,87.503 -18.07,87.503 ccw(c-18.07,90.043) -16.274,88.247 v4(-16.256,88.265)
SWCLK: CON302.4 U301.37 | length 14.2
  Component Side w0.203: U301.37@-53.013,62.611 -52.96,62.558 -52.896,62.558 v1@-52.665,62.789 ; v1(-45.477,60.325) -45.257,60.545 ccw(c-45.672,60.96) -45.194,60.619 cw(c-45.029,60.5) -45.068,60.7 ccw(c-45.212,61.468) -44.66,60.914 ccw(c-45.212,61.468) -44.436,61.375 cw(c-44.234,61.35) -44.345,61.52 cw(c-43.254,59.834) -43.254,61.842 -42.157,61.842 cw(c-42.157,60.579) CON302.4@-40.894,60.579
  Bottom Layer w0.203: v1(-52.451,62.865) -52.26,62.865 cw(c-52.261,62.662) -52.133,62.819 ccw(c-51.476,63.615) -52.104,62.796 cw(c-52.228,62.636) -52.095,62.789 cw(c-52.228,62.636) -52.084,62.779 -51.84,62.534 -51.742,62.437 ; -51.741,62.436 ccw(c-51.008,63.162) -51.735,62.43 -51.427,62.122 cw(c-51.696,61.849) -51.426,62.121 cw(c-51.696,61.849) -51.425,62.119 cw(c-51.696,61.849) -51.424,62.118 -51.305,61.999 ccw(c-48.739,64.565) -51.302,61.997 ccw(c-48.739,64.565) -48.739,60.936 -46.953,60.936 cw(c-46.953,58.849) v1(-45.477,60.325)
SWDIO: CON302.2 U301.34 | length 15
  Component Side w0.203: U301.34@-50.146,61.934 cw(c-50.22,62.008) U301.34@-50.22,61.904 -49.459,62.664 -49.416,62.664 ; U301.34@-50.146,61.935 -49.416,62.664 ; v1(-48.387,65.532) -48.377,65.522 -48.377,64.836 -48.387,64.826 -48.387,64.421 cw(c-50.144,64.421) -48.902,63.179 -49.416,62.664 ; v1(-42.926,60.96) -42.85,60.884 -42.628,60.884 -42.323,60.579 CON302.2@-42.164,60.579
  Bottom Layer w0.203: v1(-48.387,65.532) -48.365,65.51 ccw(c-47.498,66.377) -48.038,65.276 ccw(c-47.498,66.377) -47.498,65.151 -45.466,65.151 cw(c-45.466,62.611) -42.926,62.611 v1(-42.926,60.96)
VCC: C307.2 C311.2 D302.1 Q301.2 R306.1 U304.3 | length 68.2
  Component Side w0.203: R306.1@-19.304,42.657 -19.304,42.545 ccw(c-16.764,42.545) -16.764,40.005 -12.245,40.005 ccw(c-12.245,42.545) -9.705,42.545 -9.705,44.172
  Component Side w0.5: Q301.2@-25.354,72.153 -25.354,58.982 cw(c-25.511,58.982) -25.4,58.871 -6.731,58.871 cw(c-6.731,56.331) -4.191,56.331 -4.191,46.69 cw(c-6.731,46.69) -6.731,44.15 C311.2@-8.5,44.15 ccw(c-8.553,44.097) -8.553,44.172 -9.705,44.172 D302.1@-10.857,44.172 -11.107,44.172
VCC3V3: C301.2 C302.2 C303.2 C304.2 C305.2 C308.2 CON302.1 CON303.2 R303.1 S301.1 U301.1 U301.9 U301.24 U301.36 U301.48 U304.2 | length 108
  Component Side w0.203: -42.291,57.531 ccw(c-42.291,57.658) -42.164,57.658 CON302.1@-42.164,59.309 ; U304.2@-28.463,57.921 cw(c-28.463,57.525) -28.067,57.525 CON303.2@-28.067,51.816 cw(c-28.067,51.211) -27.462,51.211 S301.1@-27.462,49.482 S301.1@-27.462,43.482
  Component Side w0.3: v1(-59.563,54.872) -59.563,55.865 C305.2@-59.548,55.88 -58.71,55.88 ccw(c-58.71,58.42) -56.914,56.624 U301.1@-56.902,56.636 ; v1(-59.548,58.824) C304.2@-59.548,59.817 -59.172,59.817 cw(c-59.172,58.926) -58.542,59.556 -58.328,59.342 ; C304.2@-59.546,59.817 C304.2@-59.298,59.809 ; -58.328,59.342 ccw(c-57.812,59.858) -57.812,59.128 -57.309,59.128 U301.48@-56.902,58.722 ; U301.9@-54.074,53.808 -54.68,53.201 ccw(c-53.931,52.451) -54.991,52.451 -54.991,52.295 ccw(c-53.257,52.295) C302.2@-54.483,51.069 -53.781,51.069 -53.512,50.8 v1(-53.467,50.8) ; U301.36@-50.927,62.611 -50.363,63.175 ccw(c-50.576,63.386) -50.28,63.34 cw(c-49.657,63.246) -49.783,63.863 ccw(c-49.845,64.157) -49.665,63.917 -49.665,63.997 C303.2@-49.53,64.247 ccw(c-50.179,63.598) -50.179,64.516 v1(-50.546,64.516) ; U301.24@-47.038,56.636 -47.032,56.642 C301.2@-43.449,56.642 ; v1(-43.449,55.649) C301.2@-43.449,56.642 ; R303.1@-40.005,56.657 ccw(c-40.879,56.657) -40.879,57.531 -42.291,57.531 -42.56,57.531 ccw(c-42.56,56.642) C301.2@-43.449,56.642
  Component Side w0.5: v3(-45.212,61.468) -45.05,61.63 cw(c-43.254,59.834) -43.254,62.374 -38.28,62.374 cw(c-38.28,59.834) -36.484,61.63 -33.537,58.683 ccw(c-31.741,60.479) -31.741,57.939 -31.566,57.939 ccw(c-31.548,57.939) -31.548,57.921 U304.2@-28.463,57.921
  Bottom Layer w0.5: v1(-59.563,54.872) -59.556,54.879 -59.556,58.816 v1(-59.548,58.824) -59.548,60.268 cw(c-57.008,60.268) -59.4,61.123 cw(c-57.008,60.268) -57.864,62.659 cw(c-57.008,60.268) -57.008,62.808 -53.597,62.808 ccw(c-53.599,63.308) -53.132,63.127 cw(c-52.451,62.865) -51.936,63.382 cw(c-52.451,62.865) -51.934,63.38 cw(c-52.451,62.865) -51.871,63.309 ccw(c-51.476,63.615) -51.777,63.215 cw(c-52.094,62.789) -51.719,63.165 ; v1(-53.467,50.8) -52.233,50.8 ccw(c-52.233,53.34) -50.437,51.544 -48.115,53.866 cw(c-46.319,52.07) -46.319,54.61 -44.488,54.61 ccw(c-44.488,55.649) -44.134,54.672 ccw(c-44.488,55.649) -43.511,55.295 ccw(c-44.488,55.649) v1(-43.449,55.649) -43.449,56.978 ccw(c-45.007,56.978) -43.905,58.079 cw(c-42.804,59.181) -44.361,59.181 -44.361,60.617 ccw(c-45.212,60.617) v3(-45.212,61.468) ; -51.718,63.164 -51.363,62.81 ccw(c-51.008,63.162) -51.36,62.807 -50.928,62.375 ccw(c-48.739,64.565) -50.927,62.373 ccw(c-48.739,64.565) -48.739,61.468 v3(-45.212,61.468) ; v1(-50.546,64.516) ccw(c-49.32,65.742) -49.32,64.008 -47.752,64.008 cw(c-47.752,61.468) -46.414,63.627 cw(c-47.752,61.468) -45.308,62.159 cw(c-47.752,61.468) v3(-45.212,61.468)
pads on no net: CON301. CON301.A8 CON301.B8 CON302.0 CON302.6 D301.1 D301.6 D302. D302.2 FID1.0 FID2.0 FID3.0 FID4.0 S201. S202. S203. S204. S205. S206. S207. S208. S209. S210. S211. S212. S213. S214. S215. S216. S217. S218. S219. S220. S221. S222. S223. S224. S225. S226. S227. S228. S228_2. S229. S230. S231. S232. S233. S234. S235. S236. S237. S238. S239. S240. S241. S242. S243. S244. S245. S246. S247. S248. S249. S250. S251. S252. S253. S254. S256. S257. S258. S259. S260. S261. S261_1. S262. S263. S263_1. S264. S265. S266. S269. STAB1.
copper on no net: | length 0.8
  Component Side w0.254: -222.033,11.755 -221.463,12.325

## Polygon pours and split planes (outlines as drawn)
GND on Bottom Layer "Bottom Layer-GND" (hatched 45Degree grid 1.397 track 0.203, remove dead copper, pour order 0): -284.45,1.715 -284.45,92.915 cw(c-282.7,92.915) -282.7,94.665 -24.85,94.665 ccw(c-24.85,95.665) -23.858,95.54 cw(c-22.866,95.415) -22.866,96.415 -14.484,96.415 cw(c-14.484,95.415) -13.492,95.54 ccw(c-12.5,95.665) -12.5,94.665 -2.3,94.665 cw(c-2.3,92.915) -0.55,92.915 -0.55,1.715 cw(c-2.3,1.715) -2.3,-0.035 -282.7,-0.035 cw(c-282.7,1.715)
GND on Component Side "Component Side-GND" (hatched 45Degree grid 1.397 track 0.203, remove dead copper, pour order 1): -284.45,1.715 -284.45,92.915 cw(c-282.7,92.915) -282.7,94.665 -24.85,94.665 ccw(c-24.85,95.665) -23.858,95.54 cw(c-22.866,95.415) -22.866,96.415 -14.484,96.415 cw(c-14.484,95.415) -13.492,95.54 ccw(c-12.5,95.665) -12.5,94.665 -2.3,94.665 cw(c-2.3,92.915) -0.55,92.915 -0.55,1.715 cw(c-2.3,1.715) -2.3,-0.035 -282.7,-0.035 cw(c-282.7,1.715)

## Other copper
Component Side:
  pour cut-out: -285.3,2.215 ccw(c-282.85,2.215) -282.85,-0.235 ccw(c-282.85,0.215) -282.4,0.215 ccw(c-282.85,0.215) -282.85,0.665 cw(c-282.85,2.215) -284.4,2.215 ccw(c-284.85,2.215)
  region net GND: 1746 vertices and 2 holes, not listed, extent -118.148,6.82 -112.236,12.959
Bottom Layer:
  pour cut-out: -285.3,2.215 ccw(c-282.85,2.215) -282.85,-0.235 ccw(c-282.85,0.215) -282.4,0.215 ccw(c-282.85,0.215) -282.85,0.665 cw(c-282.85,2.215) -284.4,2.215 ccw(c-284.85,2.215)

## Silkscreen, mask and mechanical layers (free items; w line width, h text height)
Top Overlay:
  text "Waffling: adj. or verb - indecisive; unable to make up one's mind; playing the safe middle ground due to one's own lack of conviction or sense of morality." at -244.094,39.751 h2.9
  text "Waffling60 -D1" at -147.401,1.815 h3
  text "SE" at -133.35,1.27 h1.75
Bottom Overlay:
  circle w0.4: c-14.097,5.207 r0.75
  circle w0.4: c-37.909,5.207 r0.75
  circle w0.4: c-61.721,5.207 r0.75
  circle w0.4: c-142.684,5.207 r0.75
  circle w0.4: c-271.271,5.207 r0.75
  circle w0.4: c-247.459,5.207 r0.75
  circle w0.4: c-223.646,5.207 r0.75
  circle w0.4: c-45.662,19.883 r0.75
  circle w0.4: c-64.712,19.883 r0.75
  lines w0.2: -240.284,17.653 -214.122,17.653 ; -234.397,20.391 -232.029,20.391 ; -222.559,20.391 -220.191,20.391 ; -69.537,17.145 -41.537,17.145 ; -62.185,19.883 -59.817,19.883 ; -50.347,19.883 -47.979,19.883 ; -235.104,20.391 -234.397,21.098 -234.397,19.684 -235.104,20.391 ; -220.191,19.684 -219.484,20.391 -220.191,21.098 -220.191,19.684 ; -62.892,19.883 -62.185,19.176 -62.185,20.59 -62.892,19.883 ; -47.979,19.176 -47.979,20.59 -47.272,19.883 -47.979,19.176
  text "< 10U" at -209.406,20.066 h1.52 r270
  text "< 7U" at -200.008,20.066 h1.52 r270
  text "< 6.25U" at -181.212,20.066 h1.52 r270
  text "< 2.75U" at -176.259,20.066 h1.52 r270
  text "< 3U" at -162.035,20.066 h1.52 r270
  text "< 2.75U" at -152.51,20.066 h1.52 r270
  text "< 2.25U" at -104.885,20.066 h1.52 r270
  text "< 7U" at -85.708,20.066 h1.52 r270
  text "< 10U" at -76.183,20.066 h1.52 r270
  text "< 3U" at -123.935,19.939 h1.52 r270
  text "< 6.25U" at -81.009,19.939 h1.52 r270
  text "x" at -237.725,19.704 h1.75
  text "x" at -218.167,19.704 h1.75
  text "X shows 6.25U space with 1.25U mods" at -214.63,18.157 h0.75
  text "Circles shows Tsangan layout, 7U space" at -41.783,17.649 h0.75
  text "< 3U" at -202.819,16.781 h1.52
  text "< 2.25U" at -80.043,15.001 h1.52 r90
  text "< 3U" at -84.737,14.874 h1.52 r90
  text "x" at -273.983,4.591 h1.75
  text "x" at -250.171,4.591 h1.75
  text "x" at -226.358,4.591 h1.75
  text "x" at -202.546,4.591 h1.75
  text "x" at -131.108,4.591 h1.75
  text "x" at -59.671,4.591 h1.75
  text "x" at -35.858,4.591 h1.75
  text "x" at -12.046,4.591 h1.75
Top Solder:
  drawing of 2 lines, arcs and shapes, not listed
outline:
  the board outline again, w0.1
Mechanical 2:
  circle w0.013: c-9.15,85.415 r1.994
  lines w0.013: -260.431,65.115 cw(c-260.431,66.365) -260.431,67.615 -257.931,67.615 cw(c-257.931,66.365) -257.931,65.115 -260.431,65.115 ; -232.987,36.996 cw(c-232.987,37.79) -232.987,38.584 -42.487,38.584 cw(c-42.487,37.79) -42.487,36.996 -232.987,36.996 ; -191.433,8.092 cw(c-191.433,9.342) -191.433,10.592 -188.933,10.592 cw(c-188.933,9.342) -188.933,8.092 -191.433,8.092 ; -129.463,46.065 cw(c-129.463,47.315) -129.463,48.565 -126.963,48.565 cw(c-126.963,47.315) -126.963,46.065 -129.463,46.065 ; -27.037,65.115 cw(c-27.037,66.365) -27.037,67.615 -24.537,67.615 cw(c-24.537,66.365) -24.537,65.115 -27.037,65.115
  lines w0.1: -102.203,0.204 cw(c-99.088,-0.72) -99.087,2.529 -98.833,2.529 ccw(c-98.832,3.253) -98.32,2.741 cw(c-95.875,0.159) -92.375,0.786 ccw(c-91.805,0.785) -91.804,0.215 -55.146,0.215 ccw(c-55.147,0.772) -54.59,0.771 cw(c-49.631,0.001) -44.672,0.771 ccw(c-44.115,0.772) -44.116,0.215 -22.772,0.215 ccw(c-22.771,0.785) -22.201,0.786 cw(c-18.701,0.16) -16.234,2.72 ccw(c-15.799,3.155) -15.8,2.54 -12.225,2.54 cw(c-12.224,-0.709) -9.109,0.215 -2.15,0.215 ccw(c-2.151,2.216) -0.15,2.215 -0.15,36.543 cw(c-0.241,37.79) -0.241,36.54 -4.241,36.54 cw(c-4.241,37.79) -4.241,39.04 -0.241,39.04 cw(c-0.241,37.79) -0.15,39.037 -0.15,39.215 -0.15,92.415 ccw(c-2.151,92.414) -2.15,94.415 -7.109,94.415 cw(c-10.225,95.341) -13.341,94.415 -33.68,94.415 ccw(c-33.681,93.845) -34.251,93.844 cw(c-37.751,94.471) -41.251,93.844 ccw(c-41.821,93.845) -41.822,94.415 -51.245,94.415 ccw(c-51.246,93.845) -51.816,93.844 cw(c-56.775,94.615) -61.734,93.844 ccw(c-62.304,93.845) -62.305,94.415 -91.804,94.415 ccw(c-91.805,93.845) -92.375,93.844 cw(c-95.875,94.471) -98.285,91.856 ccw(c-98.85,91.29) -98.849,92.09 -99.075,92.09 cw(c-99.076,95.339) -102.191,94.415 -182.809,94.415 cw(c-185.924,95.339) -185.925,92.09 -186.179,92.09 ccw(c-186.18,91.366) -186.692,91.878 cw(c-189.125,94.471) -192.625,93.844 ccw(c-193.195,93.845) -193.196,94.415 -222.695,94.415 ccw(c-222.696,93.845) -223.266,93.844 cw(c-228.225,94.614) -233.184,93.844 ccw(c-233.754,93.845) -233.755,94.415 -243.178,94.415 ccw(c-243.179,93.845) -243.749,93.844 cw(c-247.249,94.471) -250.749,93.844 ccw(c-251.319,93.845) -251.32,94.415 -269.659,94.415 cw(c-272.775,95.341) -275.891,94.415 -282.85,94.415 ccw(c-282.849,92.414) -284.85,92.415 -284.85,39.215 -284.85,39.037 cw(c-284.759,37.79) -284.759,39.04 -280.759,39.04 cw(c-280.759,37.79) -280.759,36.54 -284.759,36.54 cw(c-284.759,37.79) -284.85,36.543 -284.85,2.215 ccw(c-282.849,2.216) -282.85,0.215 -275.891,0.215 cw(c-272.776,-0.709) -272.775,2.54 -269.318,2.54 ccw(c-269.319,3.455) -268.672,2.808 cw(c-266.3,0.158) -262.799,0.786 ccw(c-262.229,0.785) -262.228,0.215 -240.884,0.215 ccw(c-240.885,0.772) -240.328,0.771 cw(c-235.369,0.001) -230.41,0.771 ccw(c-229.853,0.772) -229.854,0.215 -193.196,0.215 ccw(c-193.195,0.785) -192.625,0.786 cw(c-189.125,0.16) -186.682,2.743 ccw(c-186.19,3.237) -186.193,2.54 -185.925,2.54 cw(c-185.924,-0.709) -182.809,0.215 -102.203,0.215
Mechanical 13:
  lines w0.1: -24.208,94.415 -13.477,94.415 ccw(c-10.327,95.149) -7.177,94.415 ; -23.553,94.415 -95.95,94.415 cw(c-99.1,95.149) -102.25,94.415 -182.75,94.415 cw(c-185.9,95.149) -189.05,94.415 -269.55,94.415 cw(c-272.7,95.149) -275.85,94.415 -282.85,94.415 ccw(c-282.85,92.415) -284.85,92.415 -284.85,36.565 -284.85,2.215 ccw(c-282.85,2.215) -282.85,0.215 -275.85,0.215 cw(c-272.7,-0.52) -269.55,0.215 -189.05,0.215 cw(c-185.9,-0.52) -182.75,0.215 -102.25,0.215 cw(c-99.1,-0.52) -95.95,0.215 -15.45,0.215 cw(c-12.3,-0.52) -9.15,0.215 -2.15,0.215 ccw(c-2.15,2.215) -0.15,2.215 -0.15,36.576 -0.15,92.415 ccw(c-2.15,92.415) -2.15,94.415 -7.15,94.415
Mechanical 16:
  drawing of 555 lines, arcs and shapes, not listed

## Text inside footprints (layer, text, board x,y; h text height)
CON301: Mechanical 15 "connector edge" at -15.725,96.945 h1 r180
S262: Mechanical 16 "7U" at -208.331,7.365 h1.52 r270; Mechanical 16 "6.25U" at -188.764,5.615 h1.52 r270